# Altium PCB 3-as-manufactured.pcbdoc (part 2 of 12) (continued)
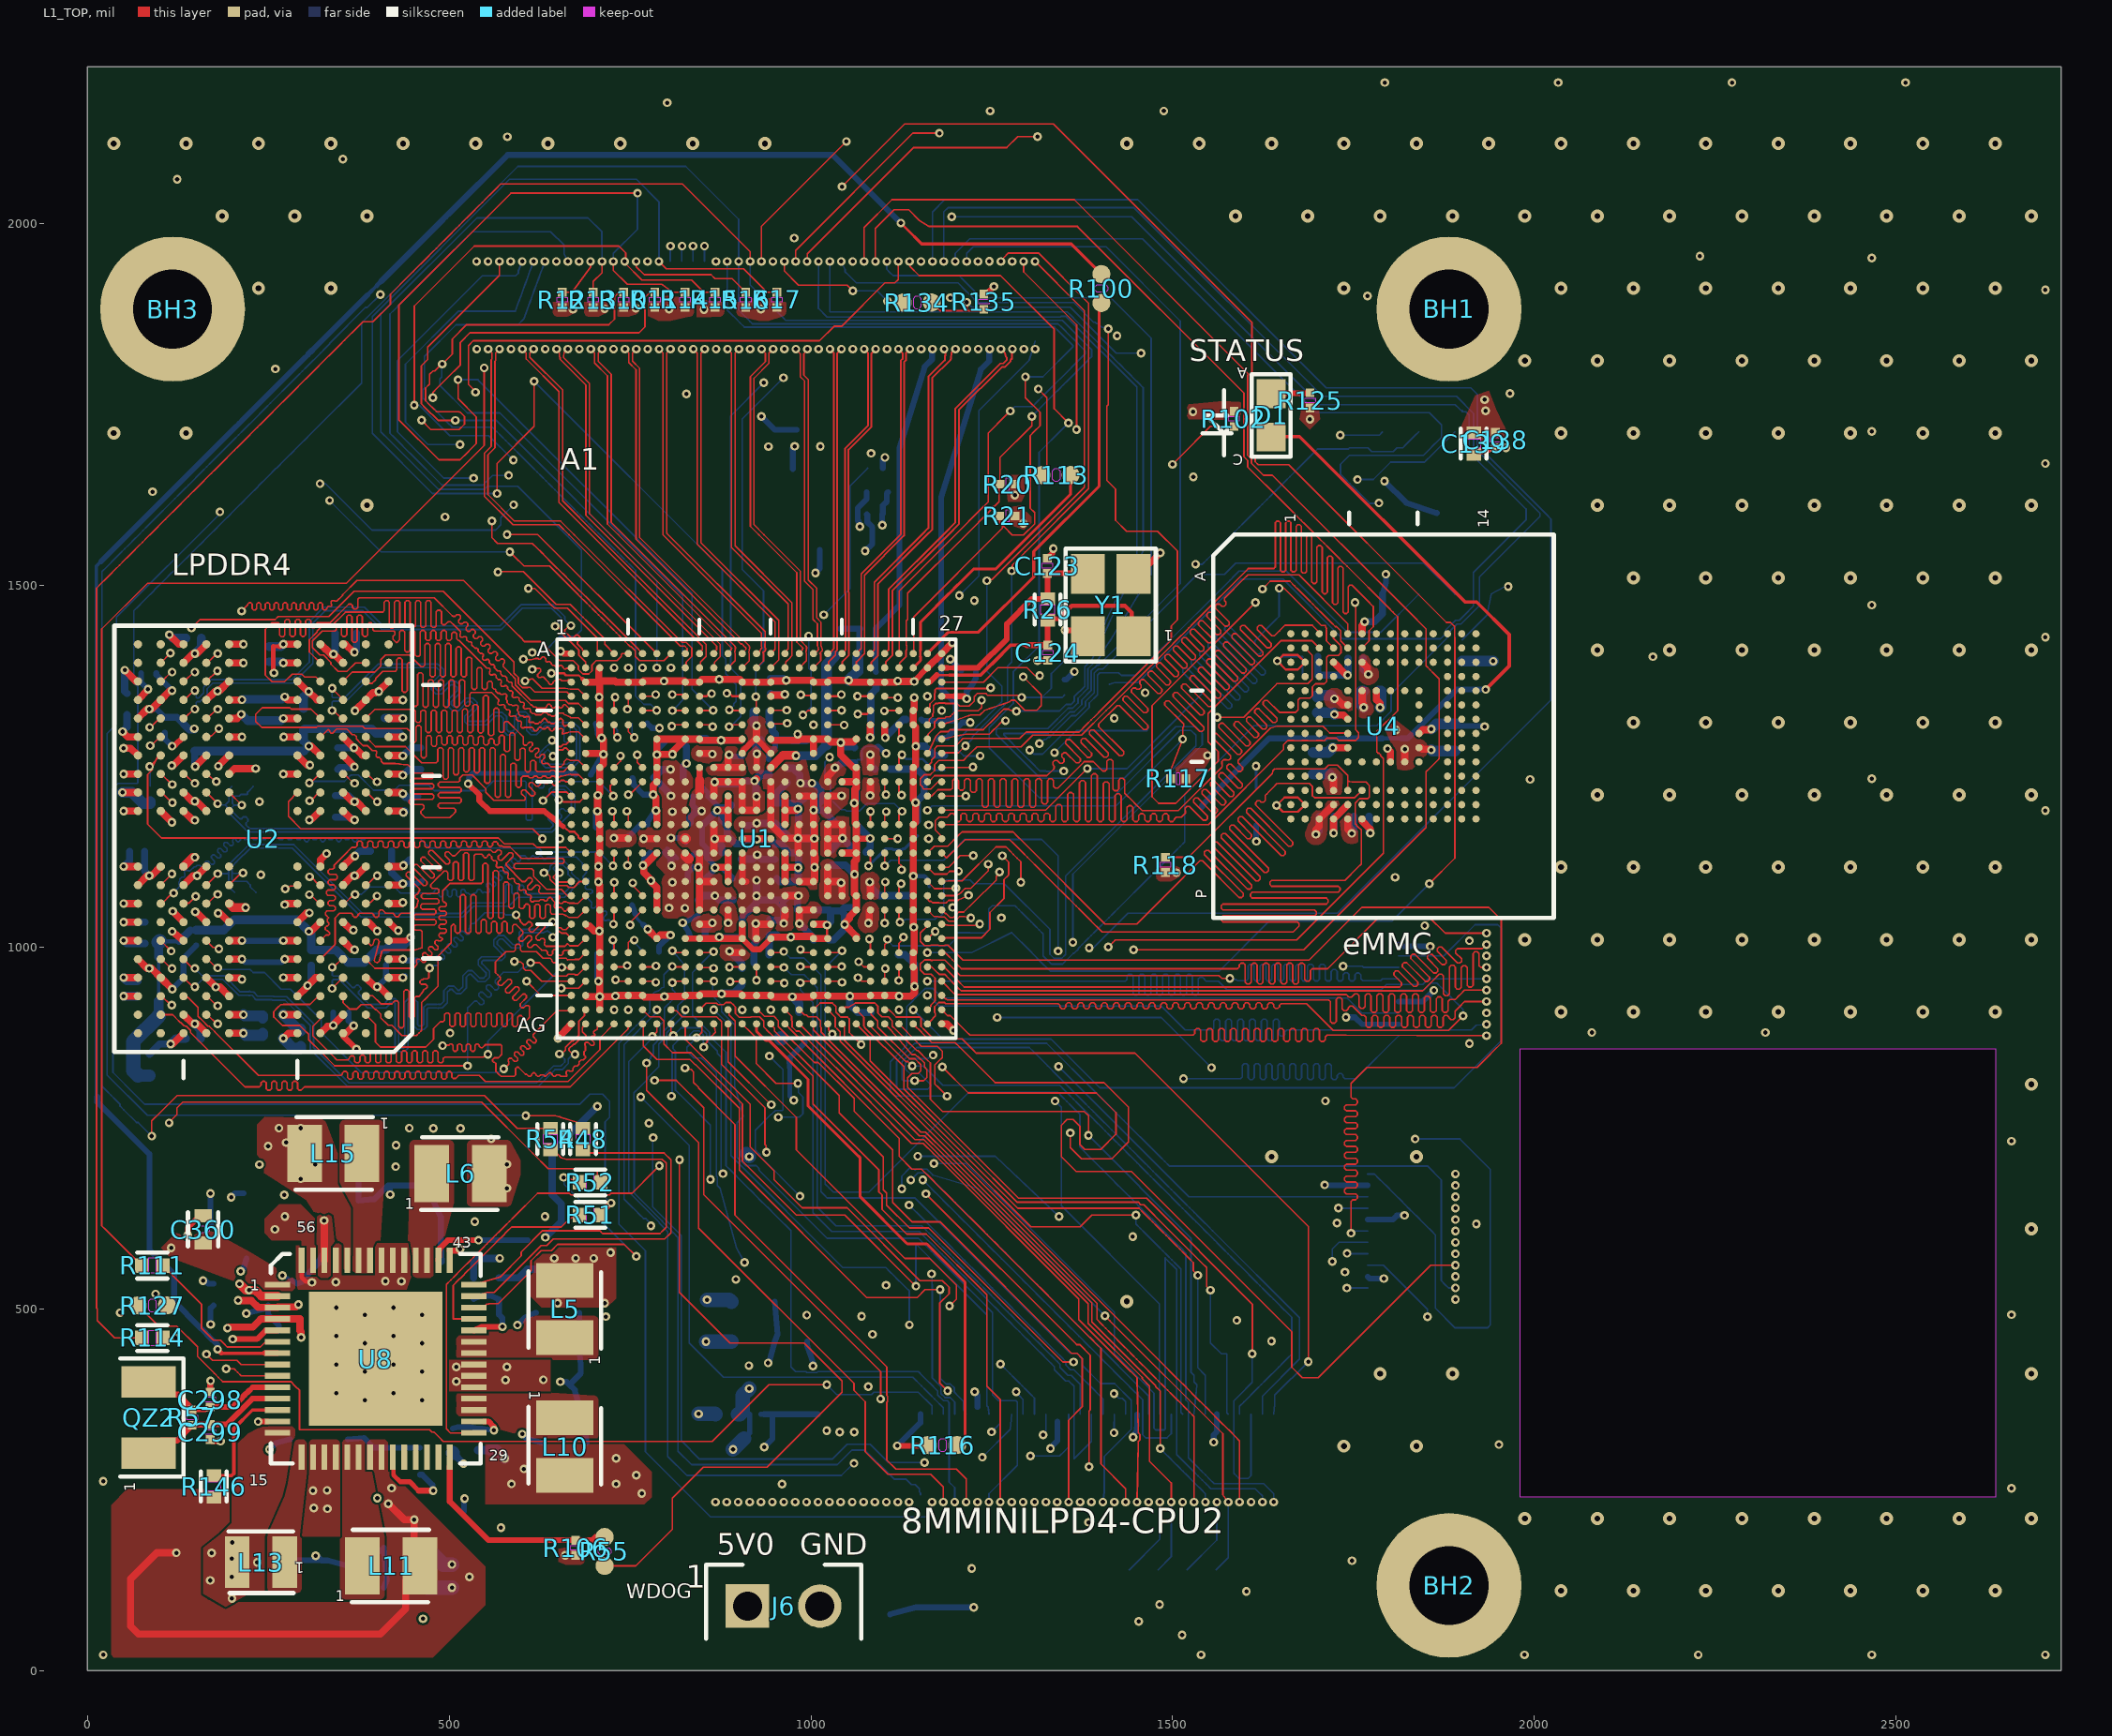
[diagram p0: L1_TOP view]
## Nets (pads, with @x,y where several pads share a name; then routed paths per layer and width w, separated by ;. In a path a pad name is that pad's centre, name@x,y a point inside that pad or via, vN(x,y) a via of type N, cw(c..) or ccw(c..) an arc to the next point about the centre after c; other vN are vias at no path point) (continued)
CLKOUT2: J4.66 U1.J26 | length 1331.3
  L1_TOP w2.2: U1.J26@1161.11,1248.32 1161.1,1249.9 1166.93,1255.73 1166.93,1258.92 1171.27,1263.25 1171.27,1274.66 1174.77,1278.16 ; 1174.78,1278.16 1191.65,1278.16 1200.09,1278.16 1205.24,1283.31 1210.39,1288.47 1288.45,1288.47 1288.58,1288.47 1297.51,1297.4 1370.65,1297.4 1381.08,1307.83 1387.39,1314.14 1393.71,1320.46 1400.02,1326.77 1444.21,1370.96 1450.53,1377.28 1456.84,1383.59 1498,1424.75 1498,1444 1506.41,1452.41 1506.41,1547.62 1479.18,1574.85 1436.15,1574.85 1421.01,1589.99 1421.01,1633.02 1408.84,1645.19 1408.84,1747.59 1411,1749.75 v1(1411,1854.8)
  L8_BOT w2.2: J4.66@1042,1947.75 1047.18,1936.96 1047.18,1933.6 1052.38,1928.4 1062.78,1918 1071.56,1918 1097.91,1918 1106.69,1918 1124.25,1918 1194.51,1918 1203.29,1918 1214.14,1907.15 1219.57,1901.72 1230.42,1890.87 1363.29,1890.87 1368.74,1885.42 1390.55,1863.62 1392.98,1863.62 1394.97,1861.63 1397.15,1861.63 1402.14,1856.64 1409.16,1856.64 v1(1411,1854.8)
  other v1: 1042,1947.75
CSI_CK_N: J4.45 U1.A16 | length 457.1
  L1_TOP w2.1: v1(884.77,1826.55) 890.09,1821.23 890.09,1810.12 890.25,1809.97 890.25,1570 890.25,1552.54 968.46,1474.33 968.46,1412.15 964.26,1407.95 U1.A16@964.26,1405.81
CSI_CK_P: J4.47 U1.B16 | length 478.9
  L1_TOP w2.1: v1(900.52,1826.55) 895.19,1821.22 895.19,1812.23 895.35,1812.08 895.35,1570 895.35,1554.65 973.56,1476.44 973.56,1402.62 972.05,1401.11 972.05,1400.81 965.52,1394.27 965.52,1387.38 U1.B16@964.26,1386.12
CSI_D0_N: J4.33 U1.A14 | length 483.1
  L1_TOP w2.1: v1@790.26,1826.15 790.68,1826.15 795.6,1821.23 795.6,1570 931.63,1433.97 931.63,1417.15 931.71,1417.07 931.72,1416.98 931.72,1416.9 931.73,1416.83 932.1,1413.02 932,1412.98 931.93,1412.94 931.85,1412.9 931.78,1412.86 931.71,1412.81 931.64,1412.76 931.58,1412.71 931.51,1412.66 931.45,1412.6 931.38,1412.54 931.33,1412.48 931.27,1412.42 931.21,1412.35 931.16,1412.29 931.11,1412.22 931.06,1412.15 931.02,1412.08 930.97,1412.01 930.93,1411.93 930.91,1411.88 929.34,1408.67 U1.A14@924.88,1404.81
  other v1: 790.28,1826.55
CSI_D0_P: J4.35 U1.B14 | length 505
  L1_TOP w2.1: v1@806.01,1826.15 805.63,1826.15 800.7,1821.23 800.7,1572.11 802.82,1570 936.73,1436.09 936.73,1419.69 936.51,1419.48 936.51,1417.18 937.11,1411.06 937.12,1410.95 937.12,1410.86 937.12,1410.78 937.12,1410.69 937.11,1410.61 937.11,1410.53 937.09,1410.44 937.08,1410.36 937.06,1410.28 937.04,1410.19 937.02,1410.11 936.99,1410.03 936.96,1409.95 936.93,1409.87 936.89,1409.8 936.86,1409.72 936.82,1409.65 936.77,1409.57 936.73,1409.5 936.68,1409.43 936.63,1409.37 936.58,1409.3 936.52,1409.24 936.46,1409.17 936.4,1409.11 936.34,1409.05 936.28,1409 936.21,1408.94 936.15,1408.89 936.08,1408.84 936.01,1408.8 935.93,1408.75 935.86,1408.71 935.79,1408.67 935.71,1408.64 935.63,1408.6 935.55,1408.57 935.47,1408.55 935.39,1408.52 935.31,1408.5 935.23,1408.48 935.15,1408.46 935.06,1408.45 934.98,1408.44 934.89,1408.43 934.81,1408.43 934.72,1408.43 ; U1.B14@924.89,1386.12 934.59,1395.82 934.59,1405.81 ; 934.56,1408.43 933.65,1406.56 934.59,1407.32
  other v1: 806.03,1826.55
CSI_D1_N: J4.39 U1.A15 | length 469.7
  L1_TOP w2.1: v1@837.51,1826.15 837.93,1826.15 842.95,1821.13 842.95,1815.55 843,1815.49 843,1557 950.38,1449.62 950.38,1411.62 U1.A15@944.57,1405.81
  other v1: 837.53,1826.55
CSI_D1_P: J4.41 U1.B15 | length 491.3
  L1_TOP w2.1: v1@853.25,1826.15 853.16,1826.15 848.05,1821.03 848.05,1817.66 848.1,1817.6 848.1,1559.11 955.48,1451.74 955.48,1397.03 U1.B15@944.57,1386.12
  other v1: 853.27,1826.55
CSI_D2_N: J4.51 U1.A17 | length 463.4
  L1_TOP w2.1: v1@931.99,1826.15 932.17,1826.15 937.12,1821.2 937.12,1809.21 916.41,1788.5 916.41,1581.66 928.06,1570 980.57,1517.49 980.57,1421.73 988.5,1413.8 989.09,1413.21 988.34,1412.46 988.34,1410.99 983.95,1406.59 U1.A17@983.95,1405.81
  other v1: 932.01,1826.55
CSI_D2_P: J4.53 U1.B17 | length 484.9
  L1_TOP w2.1: v1@947.74,1826.15 947.27,1826.15 942.22,1821.1 942.22,1807.1 921.51,1786.39 921.51,1583.77 935.27,1570 985.67,1519.61 985.67,1423.84 993.56,1415.95 993.56,1415.89 993.62,1415.83 993.67,1415.77 993.73,1415.7 993.78,1415.64 993.83,1415.57 993.88,1415.5 993.92,1415.43 993.96,1415.35 994,1415.28 994.04,1415.2 994.07,1415.12 994.1,1415.05 994.13,1414.97 994.15,1414.88 994.18,1414.8 994.2,1414.72 994.21,1414.64 994.23,1414.55 994.24,1414.47 994.25,1414.39 994.25,1414.3 994.25,1414.22 994.25,1414.13 994.25,1414.05 994.24,1413.96 994.23,1413.88 994.22,1413.8 993.07,1407.21 993.73,1407.3 993.94,1407.32 ; U1.B17@983.95,1386.12 993.93,1396.1 993.93,1405.81
  other v1: 947.76,1826.55
CSI_D3_N: J4.57 U1.A18 | length 436.6
  L1_TOP w2.1: v1@979.24,1826.15 979.55,1826.15 985.21,1820.48 985.21,1788.58 991.46,1782.33 991.46,1570 991.46,1505.54 1002.84,1494.17 1002.84,1453.11 1009.07,1446.88 1009.07,1417.01 1009.22,1416.86 1009.22,1416.78 1009.22,1416.69 1009.23,1416.61 1009.24,1416.53 1009.25,1416.44 1009.27,1416.36 1009.29,1416.28 1009.31,1416.19 ; U1.A18@1003.63,1405.81 1008.66,1409.28 1010.76,1411.47 1009.32,1416.16
  other v1: 979.26,1826.55
CSI_D3_P: J4.59 U1.B18 | length 458.6
  L1_TOP w2.1: v1@994.99,1826.15 994.99,1824.65 990.31,1819.97 990.31,1790.69 996.56,1784.44 996.56,1570 996.56,1507.65 1007.94,1496.28 1007.94,1455.22 1014.17,1448.99 1014.17,1419.56 1014.02,1419.41 1014.02,1417.22 1015.76,1411.53 1015.78,1411.44 1015.81,1411.36 1015.82,1411.28 1015.84,1411.19 1015.85,1411.11 1015.86,1411.02 1015.86,1410.94 1015.86,1410.86 1015.86,1410.77 1015.86,1410.69 1015.85,1410.6 1015.84,1410.52 1015.83,1410.43 1015.82,1410.35 1015.8,1410.27 1015.78,1410.19 1015.75,1410.11 1015.73,1410.03 1015.7,1409.95 1015.66,1409.87 1015.63,1409.79 1015.59,1409.72 1015.55,1409.64 1015.51,1409.57 1015.46,1409.5 1015.41,1409.43 1015.36,1409.36 1015.31,1409.29 1015.26,1409.23 1015.2,1409.17 1013.52,1407.42 1012.13,1405.96 1012.87,1406.63 ; U1.B18@1003.63,1386.12 1013.62,1396.11 1013.62,1405.81
  other v1: 995.01,1826.55
DRAM_NRESET: R4.2 U1.R1 U2.T11 | length 751.5
  L1_TOP w2.2: v1(86.18,1249.64) v1@87.77,1251.23 ; v1@90.24,1245.58 83.54,1238.88 83.54,1170.13 102.67,1151 568.26,1151 576.46,1142.8 616.42,1142.8 621.32,1137.9 661.29,1137.9 665.41,1133.78 U1.R1@668.98,1130.22 ; v1@87.77,1251.23 U2.T11@101.6,1265.06 96.86,1263.24 94.5,1257.96 91.5,1251.23 v1@87.77,1251.23
  L8_BOT w2.2: v1(86.18,1249.64) 86.89,1248.93 R4.2@86.89,1222.41
DRAM_VREF: U1.P1
DRAM_ZQ0: R5.2 U2.A5 | length 55.5
  L1_TOP w10: v1(270.89,873.9) 278.19,881.2 U2.A5@290.57,881.2
  L8_BOT w15: v1(270.89,873.9) 284.64,860.15 294.98,860.15 R5.2@294.98,863.14
DRAM_ZQ1: R6.2 U2.A8 | length 50.8
  L1_TOP w10: U2.A8@196.09,881.2 v1(215.77,881.2)
  L8_BOT w15: v1(215.77,881.2) 218.74,878.23 242.62,878.23 R6.2@242.62,881.22
DRAMA_CA0: U1.J6 U2.R2 | length 750
  L1_TOP w2.2: U2.R2@385.06,1239.47 387.06,1239.47 397.89,1228.64 v1(400.53,1228.64) ; v1(760.04,1265.84) 760.04,1255.69 U1.J6@767.41,1248.32
  L3_INNER1 w2.2: v1@400.53,1228.64 408.58,1228.64 408.71,1228.64 410.75,1230.68 410.75,1231.68 412.78,1233.72 414.79,1233.72 416.82,1231.68 416.82,1225.6 418.86,1223.57 420.86,1223.57 422.9,1225.6 422.9,1226.6 424.93,1228.64 429.64,1223.94 434.77,1223.94 439.91,1223.94 441.95,1225.98 441.95,1226.98 443.98,1229.01 445.99,1229.01 448.02,1226.98 448.02,1220.9 450.06,1218.86 452.06,1218.86 454.1,1220.9 454.1,1226.98 456.13,1229.01 458.14,1229.01 460.17,1226.98 460.17,1220.9 462.21,1218.86 464.21,1218.86 466.25,1220.9 466.25,1226.98 468.29,1229.01 470.29,1229.01 472.32,1226.98 472.32,1220.9 474.36,1218.86 476.36,1218.86 478.4,1220.9 478.4,1221.9 480.44,1223.94 483.71,1227.21 483.71,1230.09 483,1230.8 483,1233.68 484.41,1235.09 487.3,1235.09 491.59,1230.8 494.47,1230.8 495.89,1232.21 495.89,1235.09 495.18,1235.8 495.18,1238.68 500,1238.68 502.04,1236.64 502.04,1235.64 504.07,1233.61 506.08,1233.61 508.11,1235.64 508.11,1236.64 510.15,1238.68 512.15,1238.68 514.19,1236.64 518.19,1236.64 520.23,1238.68 522.23,1238.68 524.27,1240.72 529.05,1240.72 530.34,1239.43 530.34,1235.64 532.38,1233.61 534.38,1233.61 536.42,1235.64 536.42,1241.72 538.46,1243.76 540.46,1243.76 542.49,1241.72 542.49,1235.64 544.53,1233.61 546.53,1233.61 548.57,1235.64 548.57,1241.72 550.61,1243.76 552.61,1243.76 554.65,1241.72 554.65,1235.64 556.68,1233.61 558.68,1233.61 560.72,1235.64 560.72,1241.72 562.76,1243.76 564.76,1243.76 566.8,1241.72 566.8,1235.64 568.83,1233.61 570.84,1233.61 572.87,1235.64 572.87,1239.5 575.26,1241.89 577.66,1241.89 578.95,1240.6 578.95,1235.64 580.98,1233.61 582.99,1233.61 585.02,1235.64 585.02,1241.72 587.06,1243.76 589.06,1243.76 591.1,1241.72 591.1,1235.64 593.14,1233.61 595.14,1233.61 597.17,1235.64 597.17,1241.72 599.21,1243.76 601.21,1243.76 603.25,1241.72 603.25,1235.64 604.59,1234.3 607.98,1234.3 609.33,1235.64 609.33,1241.72 611.36,1243.76 613.36,1243.76 615.4,1241.72 615.4,1235.64 617.44,1233.61 619.44,1233.61 621.48,1235.64 621.48,1240.17 624.38,1243.07 626.2,1243.07 627.55,1241.72 627.55,1235.64 629.59,1233.61 631.59,1233.61 633.63,1235.64 633.63,1241.01 634.92,1242.29 638.41,1242.29 639.7,1241.01 639.7,1235.77 640.99,1234.48 644.49,1234.48 645.78,1235.77 645.78,1241.72 647.82,1243.76 649.82,1243.76 651.85,1241.72 651.85,1235.77 653.14,1234.48 656.64,1234.48 657.93,1235.77 657.93,1241.72 659.97,1243.76 661.97,1243.76 664.01,1241.72 664.01,1235.64 666.04,1233.61 668.04,1233.61 670.08,1235.64 670.08,1242.13 671.71,1243.76 674.12,1243.76 676.16,1241.72 676.16,1235.64 678.19,1233.61 680.2,1233.61 682.23,1235.64 682.23,1241.72 684.27,1243.76 686.27,1243.76 688.31,1241.72 688.31,1235.64 690.34,1233.61 692.35,1233.61 694.38,1235.64 694.38,1241.72 695.89,1243.22 698.95,1243.22 700.46,1241.72 700.46,1235.64 701.99,1234.11 703.82,1234.11 706.53,1236.83 706.53,1241.72 708.57,1243.76 710.57,1243.76 712.61,1241.72 712.61,1235.64 714.65,1233.61 716.65,1233.61 718.69,1235.64 718.69,1241.72 720.72,1243.76 722.72,1243.76 724.76,1241.72 724.76,1236.12 727.13,1233.76 728.95,1233.76 730.84,1235.64 730.84,1236.64 732.87,1238.68 738.63,1244.44 740.05,1245.85 742.93,1245.85 745.76,1248.68 745.76,1251.57 747.17,1252.98 750.05,1252.98 750.76,1252.27 753.64,1252.27 755.06,1253.69 755.06,1256.57 754.35,1257.28 754.35,1260.16 v1@760.06,1265.85
DRAMA_CA1: U1.K6 U2.P2 | length 721.9
  L1_TOP w2.2: U2.P2@385.06,1213.88 386.53,1213.88 399.33,1201.08 v1(400.81,1201.08) ; v1(747.89,1210.9) 749.67,1210.9 U1.K6@767.41,1228.64
  L3_INNER1 w2.2: v1(400.81,1201.08) 408.86,1201.08 412.62,1201.08 414.66,1203.12 414.66,1204.12 416.7,1206.16 418.7,1206.16 420.73,1204.12 420.73,1198.04 422.77,1196.01 424.77,1196.01 426.81,1198.04 426.81,1199.05 428.85,1201.08 431.92,1198 437.72,1198 443.52,1198 445.56,1195.97 445.56,1194.97 447.6,1192.93 449.6,1192.93 451.64,1194.97 451.64,1201.04 453.67,1203.08 455.67,1203.08 457.71,1201.04 457.71,1194.97 459.75,1192.93 461.75,1192.93 463.79,1194.97 463.79,1201.04 465.82,1203.08 467.83,1203.08 469.86,1201.04 469.86,1194.97 471.9,1192.93 473.9,1192.93 475.94,1194.97 475.94,1201.04 477.98,1203.08 479.98,1203.08 482.01,1201.04 482.01,1194.97 484.05,1192.93 486.05,1192.93 488.09,1194.97 488.09,1201.04 490.13,1203.08 492.13,1203.08 494.16,1201.04 494.16,1194.97 496.2,1192.93 498.2,1192.93 500.24,1194.97 500.24,1201.04 502.28,1203.08 504.28,1203.08 506.32,1201.04 506.32,1194.97 508.35,1192.93 510.35,1192.93 512.39,1194.97 512.39,1201.04 514.43,1203.08 516.43,1203.08 518.47,1201.04 518.47,1194.97 520.5,1192.93 522.51,1192.93 524.54,1194.97 524.54,1201.04 526.58,1203.08 528.58,1203.08 530.62,1201.04 530.62,1194.97 532.66,1192.93 534.66,1192.93 536.69,1194.97 536.69,1201.04 538.73,1203.08 540.73,1203.08 542.77,1201.04 542.77,1194.97 544.81,1192.93 546.81,1192.93 548.84,1194.97 548.84,1195.97 550.88,1198 552.72,1199.85 555.6,1199.85 556.31,1199.14 559.19,1199.14 560.61,1200.55 560.61,1203.43 556.31,1207.73 556.31,1210.61 557.73,1212.03 560.61,1212.03 564.9,1207.73 567.78,1207.73 569.2,1209.15 569.2,1212.03 564.9,1216.32 564.9,1219.2 566.32,1220.62 569.2,1220.62 573.5,1216.32 576.38,1216.32 577.79,1217.74 577.79,1220.62 577.08,1221.33 577.08,1224.21 582.77,1224.21 584.81,1222.17 584.81,1221.17 586.85,1219.13 588.85,1219.13 590.88,1221.17 590.88,1226.49 592.17,1227.78 595.67,1227.78 596.96,1226.49 596.96,1221.17 599,1219.13 601,1219.13 603.04,1221.17 603.04,1224.88 606,1227.84 607.82,1227.84 609.11,1226.56 609.11,1221.17 611.15,1219.13 613.15,1219.13 615.19,1221.17 615.19,1225.93 616.48,1227.22 619.97,1227.22 621.26,1225.93 621.26,1221.17 623.3,1219.13 625.3,1219.13 627.34,1221.17 627.34,1226.51 628.78,1227.94 632.12,1227.94 633.41,1226.66 633.41,1221.17 635.45,1219.13 637.45,1219.13 639.49,1221.17 639.49,1226.49 641.47,1228.47 644.28,1228.47 645.56,1227.18 645.56,1221.17 647.6,1219.13 649.6,1219.13 651.64,1221.17 651.64,1227.25 653.41,1229.01 655.23,1229.01 657.72,1226.53 657.72,1221.17 659.75,1219.13 661.75,1219.13 663.79,1221.17 663.79,1226.45 665.08,1227.74 668.58,1227.74 669.87,1226.45 669.87,1221.17 671.9,1219.13 673.91,1219.13 675.94,1221.17 675.94,1227.06 677.23,1228.35 680.73,1228.35 682.02,1227.06 682.02,1221.17 684.05,1219.13 686.06,1219.13 688.09,1221.17 688.09,1222.17 690.13,1224.21 692.13,1224.21 694.17,1222.17 698.17,1222.17 700.21,1224.21 702.21,1224.21 704.25,1226.24 704.25,1227.19 706.34,1229.28 708.29,1229.28 710.32,1227.25 710.32,1226.24 712.36,1224.21 714.36,1224.21 716.4,1222.17 720.4,1222.17 722.44,1224.21 724.44,1224.21 726.48,1226.24 732.56,1226.24 734.59,1224.21 735.03,1223.77 735.03,1220.89 734.32,1220.18 734.32,1217.3 735.74,1215.89 738.62,1215.89 739.32,1216.59 742.2,1216.59 v1(747.89,1210.9)
DRAMA_CA2: U1.E4 U2.R9 | length 681.2
  L1_TOP w2.2: U2.R9@164.59,1239.47 166.17,1239.47 176.72,1228.93 v1(178.3,1228.93) ; U1.E4@728.04,1327.06 728.04,1344.39 v1(729.37,1345.72)
  L3_INNER1 w2.2: v1(178.3,1228.93) 180.75,1231.37 188.39,1231.37 190.2,1233.19 190.46,1233.19 191.88,1234.61 191.88,1237.49 191.17,1238.19 191.17,1241.07 192.59,1242.49 192.59,1245.37 195.42,1248.2 198.3,1248.2 199.72,1249.62 199.72,1252.5 199.01,1253.21 199.01,1256.09 200.42,1257.5 203.3,1257.5 207.6,1253.21 210.48,1253.21 211.9,1254.62 211.9,1257.5 207.6,1261.8 207.6,1264.68 209.02,1266.09 211.9,1266.09 212.6,1265.39 215.48,1265.39 216.69,1266.59 218.73,1264.56 218.73,1263.56 220.77,1261.52 222.77,1261.52 224.8,1263.56 224.8,1264.56 226.84,1266.59 228.84,1266.59 230.88,1264.56 234.88,1264.56 236.92,1266.59 238.92,1266.59 247.55,1266.59 256.18,1266.59 264.8,1266.59 273.43,1266.59 282.06,1266.59 290.68,1266.59 299.31,1266.59 307.93,1266.59 316.56,1266.59 325.19,1266.59 333.81,1266.59 342.44,1266.59 348.8,1272.95 355.16,1279.32 361.53,1285.68 367.89,1292.04 374.25,1298.4 380.61,1304.76 386.97,1311.13 393.34,1317.49 399.7,1323.85 404.85,1329 671.49,1329 678.23,1335.74 683.76,1341.27 689.28,1346.79 694.81,1352.32 700.34,1357.85 708.34,1357.85 716.35,1357.85 719.57,1354.63 722.78,1351.42 723.68,1351.42 v1(729.37,1345.72)
DRAMA_CA3: U1.D5 U2.R10 | length 697.9
  L1_TOP w2.2: U2.R10@133.09,1239.47 134.57,1239.47 147.36,1226.67 v1(148.84,1226.67) ; v1(746.53,1328.94) 747.73,1330.14 U1.D5@747.73,1346.75
  L3_INNER1 w2.2: v1(148.84,1226.67) 156.89,1226.67 162.55,1226.67 168.14,1221.08 173,1216.22 221.85,1216.22 226.71,1221.08 232.29,1226.67 240.65,1226.67 249.01,1226.67 257.36,1226.67 265.72,1226.67 274.08,1226.67 282.43,1226.67 288.36,1220.75 294.28,1214.82 301.96,1214.82 309.63,1214.82 314.53,1214.82 359.86,1260.15 390.47,1260.15 431.77,1301.45 444.03,1301.45 583.49,1301.45 588.04,1306 723.59,1306 v1(746.53,1328.94)
DRAMA_CA4: U1.N4 U2.R11 | length 803.7
  L1_TOP w2.2: U2.R11@101.6,1239.47 102.2,1239.47 116.75,1224.92 v1(117.36,1224.92) ; v1(725.62,1187.9) 727.96,1185.56 727.96,1169.66 U1.N4@728.04,1169.58
  L3_INNER1 w2.2: v1(117.36,1224.92) 123.83,1218.48 123.83,1217.56 125.25,1216.14 125.25,1213.26 124.54,1212.55 124.54,1209.67 125.95,1208.26 128.83,1208.26 131.67,1205.43 131.67,1202.55 133.08,1201.13 133.08,1198.25 132.37,1197.54 132.37,1194.66 133.79,1193.25 136.67,1193.25 137.38,1193.95 140.26,1193.95 145.51,1188.7 147.51,1188.7 149.55,1190.74 153.55,1190.74 155.59,1188.7 157.59,1188.7 166.45,1188.7 169.34,1188.7 170.04,1189.41 172.92,1189.41 174.34,1187.99 174.34,1185.11 170.04,1180.82 170.04,1177.94 171.46,1176.52 174.34,1176.52 178.64,1180.82 181.52,1180.82 182.93,1179.4 182.93,1176.52 178.64,1172.22 178.64,1169.34 180.05,1167.93 182.93,1167.93 187.23,1172.22 190.11,1172.22 191.52,1170.81 191.52,1166.18 192.81,1164.89 194.63,1164.89 196.67,1166.93 198.5,1166.93 199.78,1165.64 199.78,1165.52 201.82,1163.48 203.82,1163.48 205.86,1165.52 209.86,1165.52 211.9,1163.48 213.9,1163.48 215.94,1165.52 215.94,1166.52 217.98,1168.56 219.98,1168.56 222.02,1166.52 222.02,1165.52 224.05,1163.48 226.05,1163.48 228.09,1165.52 232.1,1165.52 234.13,1163.48 236.13,1163.48 238.17,1165.52 238.17,1166.52 240.21,1168.56 242.21,1168.56 244.25,1166.52 244.25,1165.52 246.28,1163.48 248.29,1163.48 250.32,1165.52 254.33,1165.52 256.36,1163.48 258.36,1163.48 260.4,1165.52 260.4,1166.52 262.44,1168.56 264.44,1168.56 266.48,1166.52 266.48,1165.52 268.51,1163.48 270.52,1163.48 272.55,1165.52 276.56,1165.52 278.59,1163.48 280.6,1163.48 282.63,1165.52 282.63,1166.52 284.67,1168.56 286.67,1168.56 288.71,1166.52 288.71,1165.52 290.74,1163.48 292.75,1163.48 294.78,1165.52 298.79,1165.52 300.82,1163.48 302.83,1163.48 304.83,1163.48 306.86,1161.45 310.87,1161.45 312.91,1163.48 314.91,1163.48 316.94,1165.52 316.94,1166.52 318.98,1168.56 320.98,1168.56 323.02,1166.52 323.02,1165.52 325.06,1163.48 327.06,1163.48 329.1,1165.52 333.1,1165.52 335.14,1163.48 337.14,1163.48 339.18,1165.52 339.18,1166.52 341.21,1168.56 343.21,1168.56 345.25,1166.52 345.25,1165.52 347.29,1163.48 349.29,1163.48 351.33,1165.52 355.33,1165.52 357.37,1163.48 359.37,1163.48 361.37,1163.48 363.41,1161.45 367.41,1161.45 369.45,1163.48 371.45,1163.48 380.33,1163.48 386.51,1169.66 388.54,1171.7 388.54,1172.7 390.58,1174.74 392.58,1174.74 394.62,1172.7 394.62,1171.7 396.65,1169.66 398.66,1169.66 400.69,1171.7 404.7,1171.7 406.73,1169.66 408.74,1169.66 410.77,1171.7 410.77,1172.7 412.81,1174.74 414.81,1174.74 416.85,1172.7 416.85,1171.7 418.89,1169.66 420.89,1169.66 422.92,1171.7 426.93,1171.7 428.96,1169.66 430.97,1169.66 433,1171.7 433,1172.7 435.04,1174.74 437.04,1174.74 439.08,1172.7 439.08,1171.7 441.12,1169.66 443.12,1169.66 445.15,1171.7 449.16,1171.7 451.2,1169.66 453.2,1169.66 460.19,1169.66 467.19,1169.66 474.18,1169.66 481.72,1177.2 711.71,1177.2 713.49,1178.98 716.71,1182.2 719.92,1182.2 v1(725.62,1187.9)
DRAMA_CA5: U1.N5 U2.P11 | length 799.8
  L1_TOP w2.2: U2.P11@101.6,1213.88 102.63,1213.88 116.69,1199.82 v1(117.72,1199.82) ; v1(745.62,1187.9) 747.73,1185.79 U1.N5@747.73,1169.58
  L3_INNER1 w2.2: v1(117.72,1199.82) 125.6,1191.9 125.6,1188.18 124.89,1187.48 124.89,1184.6 126.31,1183.18 129.19,1183.18 132.02,1180.35 132.02,1177.47 133.44,1176.05 137.63,1171.85 137.63,1166.36 137.63,1163.47 136.93,1162.77 136.93,1159.89 138.34,1158.47 141.22,1158.47 141.93,1159.18 144.81,1159.18 146.67,1157.32 148.71,1159.35 148.71,1160.35 150.75,1162.39 152.75,1162.39 154.79,1160.35 154.79,1159.35 156.82,1157.32 158.82,1157.32 160.86,1159.35 164.87,1159.35 166.9,1157.32 168.9,1157.32 170.94,1159.35 170.94,1160.35 172.98,1162.39 174.98,1162.39 177.02,1160.35 177.02,1159.35 183.91,1152.46 379.72,1152.46 389.13,1161.87 391.14,1161.87 393.17,1163.91 397.18,1163.91 399.21,1161.87 401.22,1161.87 403.22,1161.87 405.26,1163.91 409.26,1163.91 411.3,1161.87 413.3,1161.87 415.3,1161.87 417.34,1163.91 421.34,1163.91 423.38,1161.87 425.38,1161.87 427.38,1161.87 429.42,1163.91 433.42,1163.91 435.46,1161.87 437.46,1161.87 439.46,1161.87 441.5,1163.91 445.5,1163.91 447.54,1161.87 449.54,1161.87 451.54,1161.87 453.58,1163.91 457.59,1163.91 459.62,1161.87 461.62,1161.87 463.63,1161.87 465.66,1163.91 469.67,1163.91 471.7,1161.87 473.71,1161.87 475.74,1163.91 ; 475.78,1163.91 478.39,1166.51 480.21,1166.51 481.82,1164.91 481.82,1163.91 483.85,1161.87 485.86,1161.87 487.89,1163.91 491.9,1163.91 493.93,1161.87 495.94,1161.87 497.97,1163.91 497.97,1164.91 500.01,1166.94 502.01,1166.94 504.05,1164.91 504.05,1163.91 506.09,1161.87 508.09,1161.87 510.12,1163.91 514.13,1163.91 516.17,1161.87 518.17,1161.87 520.2,1163.91 520.2,1164.91 522.24,1166.94 524.24,1166.94 526.28,1164.91 526.28,1163.91 528.32,1161.87 530.32,1161.87 532.35,1163.91 536.36,1163.91 538.4,1161.87 540.4,1161.87 542.11,1161.87 545.58,1165.34 549.06,1168.81 551.09,1166.77 551.09,1165.77 553.13,1163.74 555.13,1163.74 557.17,1165.77 557.17,1166.77 559.2,1168.81 561.21,1168.81 563.24,1170.85 567.25,1170.85 569.28,1168.81 571.29,1168.81 573.32,1166.77 573.32,1165.77 575.36,1163.74 577.36,1163.74 579.4,1165.77 579.4,1166.77 581.44,1168.81 583.44,1168.81 585.47,1170.85 589.48,1170.85 591.51,1168.81 593.52,1168.81 595.52,1168.81 597.56,1170.85 601.56,1170.85 603.6,1168.81 605.6,1168.81 607.6,1168.81 609.64,1170.85 613.64,1170.85 615.68,1168.81 617.68,1168.81 619.68,1168.81 621.72,1170.85 625.72,1170.85 627.76,1168.81 629.76,1168.81 631.76,1168.81 633.8,1170.85 637.8,1170.85 639.84,1168.81 641.84,1168.81 643.84,1168.81 645.88,1170.85 649.89,1170.85 651.92,1168.81 653.92,1168.81 655.93,1168.81 657.96,1170.85 661.97,1170.85 664,1168.81 666.01,1168.81 668.01,1168.81 670.04,1170.85 674.05,1170.85 676.09,1168.81 678.09,1168.81 680.09,1168.81 682.13,1170.85 686.13,1170.85 688.17,1168.81 690.17,1168.81 692.17,1168.81 694.21,1170.85 698.21,1170.85 700.25,1168.81 702.25,1168.81 704.25,1168.81 706.29,1170.85 710.29,1170.85 712.33,1168.81 714.33,1168.81 716.37,1170.85 716.37,1171.85 718.41,1173.88 720.41,1173.88 722.44,1171.85 722.44,1170.85 724.48,1168.81 724.8,1168.81 729.27,1173.27 733.73,1177.74 738.2,1182.2 739.92,1182.2 v1(745.62,1187.9)
DRAMA_CK_C: R8.2 U1.L1 U2.P9 | length 704.2
  L1_TOP w2.3: U2.P9@164.59,1213.88 v1(180.13,1198.34) ; v1(630,1202.68) 641.59,1214.27 662.99,1214.27 668.3,1208.96 U1.L1@668.98,1208.96
  L8_BOT w2.3: v1(180.13,1198.34) 181.85,1196.62 190.62,1196.62 ; R8.2@199.9,1222.19 196,1218.29 196,1202 190.62,1196.62 ; v1(630,1202.68) 630,1202.85 638.44,1211.29 638.44,1217.88 643.36,1222.8 660.99,1222.8 673.8,1209.99 673.8,1191.01 641.99,1159.2 278.64,1159.2 235.88,1159.2 222.3,1159.2 194.59,1186.9 194.59,1192.65 190.62,1196.62
DRAMA_CK_T: R8.1 U1.L2 U2.P8 | length 733.9
  L1_TOP w2.3: U2.P8@196.09,1213.88 v1(213.64,1196.33) ; v1(651.68,1203.62) 655.12,1203.62 657.93,1200.81 680.52,1200.81 U1.L2@688.67,1208.96
  L8_BOT w2.3: v1(213.64,1196.33) 203.08,1196.33 ; R8.1@229.42,1222.19 221.57,1214.34 221.57,1211.72 220.89,1211.04 212.2,1211.04 210.16,1209 202.15,1209 200.8,1207.65 200.8,1198.61 203.08,1196.33 ; v1(651.68,1203.62) 650.91,1203.62 643.24,1211.29 643.24,1215.89 645.35,1218 659,1218 669,1208 669,1193 665.47,1189.47 664.16,1188.16 661.23,1188.21 658.02,1191.52 655.08,1191.57 652.1,1188.69 652.05,1185.75 655.38,1182.31 655.33,1179.38 652.35,1176.49 649.41,1176.54 643.04,1183.13 640.11,1183.17 637.13,1180.29 637.08,1177.35 643.66,1170.55 643.62,1167.62 642.8,1166.8 640,1164 228.09,1164 224.28,1164 219.5,1168.78 219.5,1171.72 222.09,1174.3 222.09,1177.24 219.16,1180.17 216.22,1180.17 213.63,1177.58 210.7,1177.58 209.14,1179.14 208.33,1179.96 199.39,1188.89 199.39,1192.65 203.08,1196.33
DRAMA_CKE0: R121.2 U1.F4 U2.P4 | length 609.4
  L1_TOP w2.2: v1(307.38,1202.51) 309.04,1202.51 320.41,1213.88 U2.P4@322.07,1213.88 ; U1.F4@728.04,1307.38 728.04,1294.39 v1(732.53,1289.9)
  L3_INNER1 w2.2: v1(307.38,1202.51) 320.51,1202.51 356.55,1238.55 377.55,1238.55 402,1263 411,1263 425,1277 448.58,1277 449.68,1277 451.32,1278.64 451.32,1284.41 452.96,1286.05 457.88,1286.05 459.52,1284.41 459.52,1266.13 461.16,1264.49 466.08,1264.49 467.72,1266.13 467.72,1284.41 469.36,1286.05 474.28,1286.05 475.92,1284.41 475.92,1266.13 477.56,1264.49 482.48,1264.49 484.12,1266.13 484.12,1280.31 485.76,1281.95 490.68,1281.95 492.32,1280.31 492.32,1278.64 493.96,1277 501.48,1277 550.11,1277 551.98,1275.13 676.1,1275.13 678.42,1277.45 720.08,1277.45 v1(732.53,1289.9)
  L8_BOT w2.2: R121.2@723.4,1309.3 732.53,1300.17 v1(732.53,1289.9)
DRAMA_CKE1: R122.2 U1.F5 U2.P5 | length 708.7
  L1_TOP w2.2: U2.P5@290.57,1213.88 278,1201.31 278,1181 295.4,1163.6 615.4,1163.6 v1@629,1150 ; U1.F5@747.73,1307.38 747.73,1298.06 v1(755.89,1289.9)
  L3_INNER1 w2.2: v1(629,1150) 640.5,1161.5 743.5,1161.5 771,1189 771,1274.79 v1(755.89,1289.9)
  L8_BOT w2.2: R122.2@752.88,1309.3 752.88,1296.64 755.89,1293.63 v1(755.89,1289.9)
DRAMA_DATA0: U1.A5 U2.AA11 | length 936.2
  L1_TOP w2.2: U2.AA11@101.6,1393.01 v1(114.89,1406.3) ; v1(213.34,1464.57) 221.87,1473.11 221.87,1474.11 223.91,1476.15 225.91,1476.15 227.95,1474.11 227.95,1468.03 229.99,1466 231.99,1466 234.03,1468.03 234.03,1474.11 236.06,1476.15 238.06,1476.15 240.1,1474.11 240.1,1468.03 242.14,1466 244.14,1466 246.18,1468.03 246.18,1474.11 248.21,1476.15 250.22,1476.15 252.25,1474.11 252.25,1468.03 254.29,1466 256.29,1466 258.33,1468.03 258.33,1474.11 260.36,1476.15 262.37,1476.15 264.4,1474.11 264.4,1468.03 266.44,1466 268.44,1466 270.48,1468.03 270.48,1474.11 272.52,1476.15 274.52,1476.15 276.55,1474.11 276.55,1468.03 278.59,1466 280.59,1466 282.63,1468.03 282.63,1474.11 284.67,1476.15 286.67,1476.15 288.71,1474.11 288.71,1468.03 290.74,1466 292.74,1466 294.78,1468.03 294.78,1474.11 296.82,1476.15 298.82,1476.15 300.86,1474.11 300.86,1468.03 302.89,1466 304.9,1466 306.93,1468.03 306.93,1474.11 308.97,1476.15 310.97,1476.15 313.01,1474.11 313.01,1468.03 315.04,1466 317.05,1466 319.08,1468.03 319.08,1474.11 321.12,1476.15 323.12,1476.15 325.16,1474.11 325.16,1468.03 327.2,1466 329.2,1466 331.23,1468.03 331.23,1469.03 333.27,1471.07 337.86,1471.07 337.86,1473.95 337.15,1474.66 337.15,1477.54 338.57,1478.95 341.45,1478.95 342.15,1478.25 345.03,1478.25 352.89,1486.1 352.89,1487.1 372.78,1507 520.02,1507 592.44,1434.58 598.62,1428.4 604.81,1422.21 626.6,1422.21 652.8,1396 671.7,1396 675.26,1392.44 678.82,1388.88 678.82,1383.62 684.82,1377.62 693.01,1377.62 697.64,1382.25 697.64,1390.33 703.27,1395.97 732.12,1395.97 737.89,1401.73 737.89,1404.55 739.17,1405.84 U1.A5@747.7,1405.84
  L3_INNER1 w2.2: v1(114.89,1406.3) 114.89,1408.99 120.27,1414.37 122.04,1414.37 127.44,1419.77 127.44,1420.77 129.47,1422.81 131.48,1422.81 133.51,1420.77 133.51,1414.69 135.55,1412.66 137.55,1412.66 139.59,1414.69 139.59,1420.77 141.62,1422.81 143.63,1422.81 145.66,1420.77 145.66,1419.77 147.7,1417.73 149.7,1417.73 151.74,1419.77 155.74,1419.77 157.78,1417.73 162.2,1417.73 185.81,1441.34 186.51,1440.63 189.39,1440.63 v1(213.34,1464.57)